# Altium PCB EVK-NORA-W40.PcbDoc (part 2 of 5) (continued)
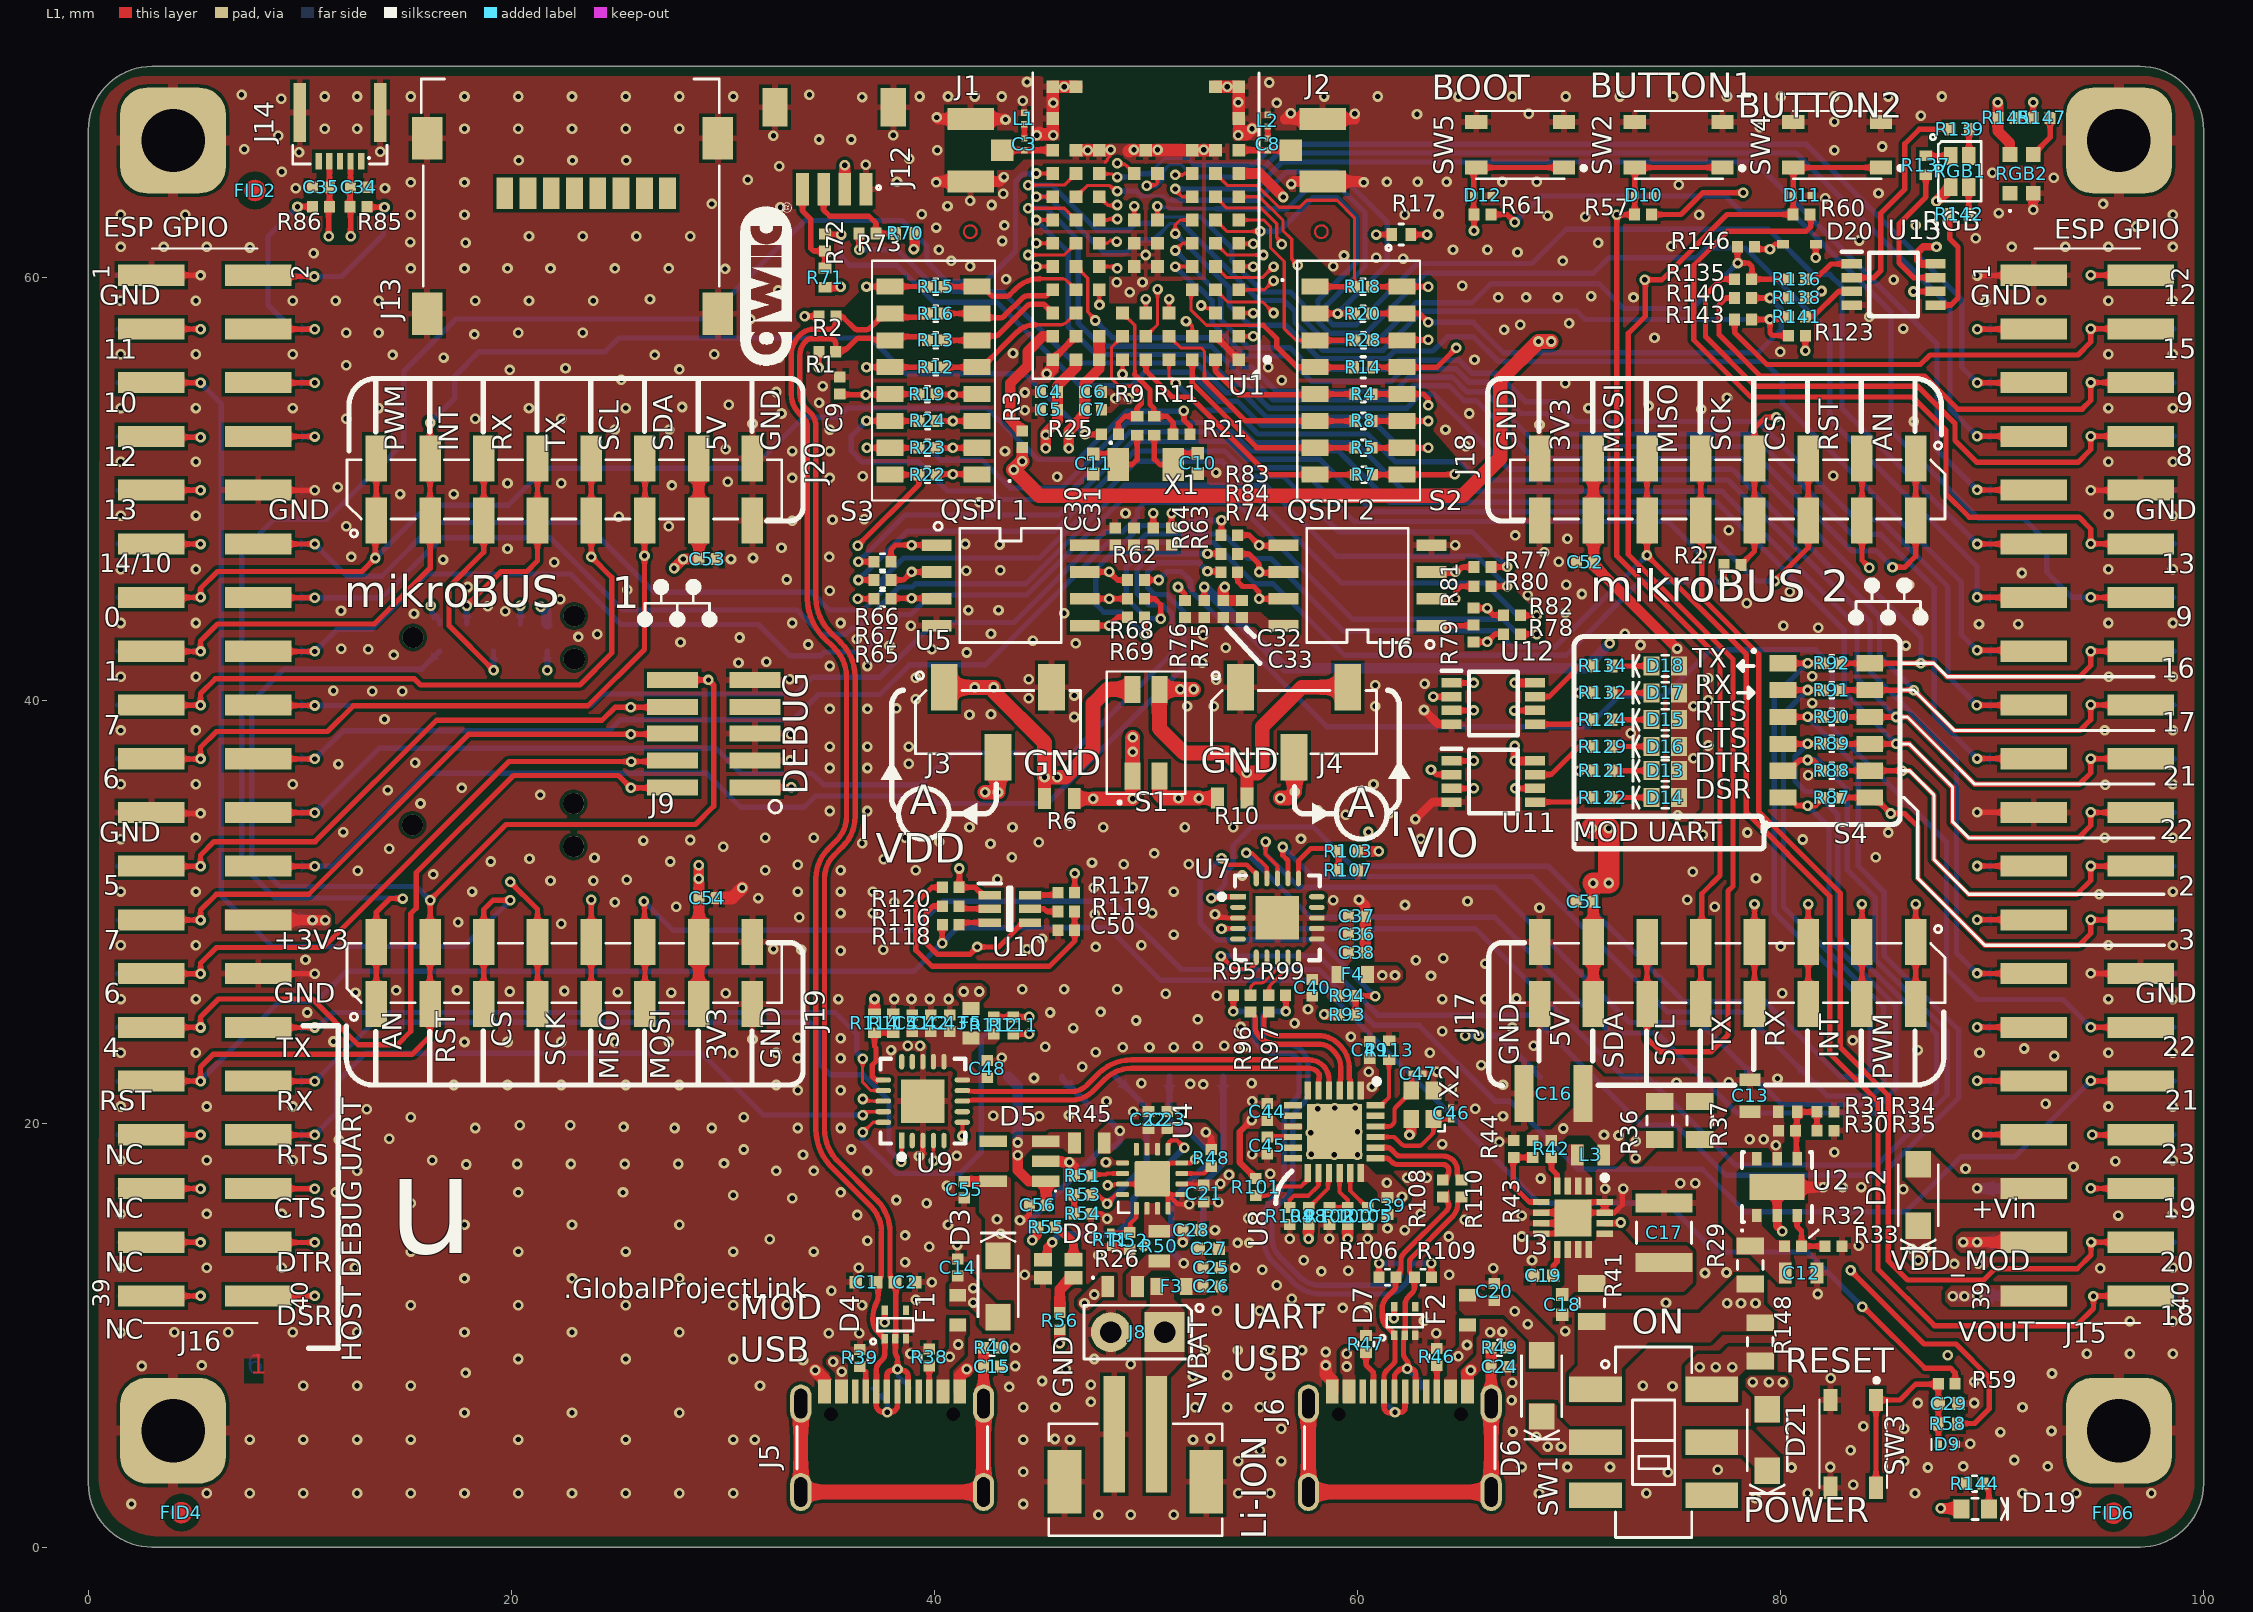
[diagram p0: L1 view]
## Part data (continued)
R40 R49: library part 180-00024, "Resistor 10k ohm 1% 1/16W, 0402", Manufacturer 1="Samsung Electro-Mechanics America, Inc", Manufacturer 2="Hong Kong Resistors Manufactory", Manufacturer Part Number 1=RC1005F103CS, Manufacturer Part Number 2=RCT0210KFLF, Max Operating Temp=155, Min Operating Temp=-55, Part Name="RES SMD 10K OHM 1% 1/16W 0402", Power=1/16W, Supplier Part Number 1=1276-3431-1-ND, Tolerance="+/- 1%", Voltage=N/A, Height=0.4mm, Item Phase="In Production", Part Number=180-00024, Pins=2, Revision=0E, Size=0402, Supplier 1=Digi-Key, Supplier 2=None, Supplier Part Number 2=None, UBX Code=None, Use in new designs=Yes
R42 R100 R101 R102 R104 R105: library part UBXH18-0000005, "RES THICK FILM CHIP 0402 100K 1% 63mW", Manufacturer=KOA, Manufacturer 2=ROHM, Manufacturer P/N=RK73H1ETTP1003F, Manufacturer P/N 2=MCR01MZPF1003, Max Power=63mW, Tolerance=1%, Editor=dario.antonaz, Env=ROHS, Mfg P/N Datasheet=https://wiki.u-blox.com/bin/view/Generic/Docs/DocumentSummary?index=8222, Mfg P/N Datasheet 2=https://wiki.u-blox.com/bin/view/Generic/Docs/DocumentSummary?index=8186, Mfg P/N Released=Yes, Mfg P/N Released 2=Yes, Mfg P/N Split=100, Mfg P/N Split 2=0, Mfg P/N Status=Active, Mfg P/N Status 2=Obsolete, Part Number=UBXH18-0000005, Part Type=Resistor, Perferred=N/A, Permitted Use="Volume Products", RefDes=R, Release Data=2009-11-30T11:05:22, Released by=sandro.sestan, Size=0402, UBX Wiki=https://wiki.u-blox.com/bin/view/Operations/PartDetails?index=8114
R48: library part UBXH18-0008121, "RES THICK FILM CHIP 0402 1M0 5% 63mW", Manufacturer=KOA, Manufacturer P/N=RK73B1ETTP105J, Max Operating Temp=125°C, Max Power=63mW, Min Operating Temp=-55°C, Tolerance=5%, Editor=daniel.hurni, Env=ROHS, Mfg P/N Datasheet=https://wiki.u-blox.com/bin/view/Generic/Docs/DocumentSummary?index=4543, Mfg P/N Released=Yes, Mfg P/N Split=100, Mfg P/N Status=Active, Part Number=UBXH18-0008121, Part Type=Resistor, Perferred=PREF, Permitted Use="Volume Products", RefDes=R, Release Data=2009-12-01T17:35:03, Released by=doris.zahnd, Size=0402, UBX Wiki=https://wiki.u-blox.com/bin/view/Operations/PartDetails?index=7052
R53 R54: library part UBXH18-0008049, "RES THICK FILM CHIP 0402 1K0 5% 100mW", Manufacturer=YAGEO, Manufacturer 2=KOA, Manufacturer P/N=2322_705_70102_L, Manufacturer P/N 2=RK73B1ETTD102J, Max Power=100mW, Tolerance=5%, Editor=roland.rust, Env=ROHS, Mfg P/N Released=Yes, Mfg P/N Released 2=Yes, Mfg P/N Split=100, Mfg P/N Split 2=0, Mfg P/N Status=NRND, Mfg P/N Status 2=NRND, Part Number=UBXH18-0008049, Part Type=Resistor, Perferred=PREF, Permitted Use="Volume Products", RefDes=R, Release Data=2005-07-22T13:59:44, Released by=roland.rust, Size=0402, UBX Wiki=https://wiki.u-blox.com/bin/view/Operations/PartDetails?index=6939
R55: library part UBXH18-0000269, "RES THICK FILM CHIP 0402 499R 1% 100mW", Manufacturer=KOA, Manufacturer P/N=RK73H1ETTP4990F, Max Operating Temp=125°C, Max Power=100mW, Min Operating Temp=-55°C, Tolerance=1%, Editor=pierpaolo.arban, Env=ROHS, Mfg P/N Datasheet=https://wiki.u-blox.com/bin/view/Generic/Docs/DocumentSummary?index=8222, Mfg P/N Released=No, Mfg P/N Split=100, Mfg P/N Status=Active, Part Number=UBXH18-0000269, Part Type=Resistor, Perferred=PREF, Permitted Use="Volume Products", RefDes=R, Size=0402, UBX Wiki=https://wiki.u-blox.com/bin/view/Operations/PartDetails?index=25384
R56: library part UBXH18-0008033, "RES THICK FILM CHIP 0402 220R 5% 100mW", Manufacturer=ROHM, Manufacturer 2=KOA, Manufacturer 3=YAGEO, Manufacturer P/N=MCR01MZPJ221, Manufacturer P/N 2=RK73B1ETTP221J, Manufacturer P/N 3=2322_705_87221_L, Max Power=100mW, Tolerance=5%, Editor=roland.rust, Env=ROHS, Mfg P/N Released=Yes, Mfg P/N Released 2=Yes, Mfg P/N Released 3=Yes, Mfg P/N Split=100, Mfg P/N Split 2=0, Mfg P/N Split 3=0, Mfg P/N Status=Active, Mfg P/N Status 2=Active, Mfg P/N Status 3=NRND, Part Number=UBXH18-0008033, Part Type=Resistor, Perferred=PREF, Permitted Use="Volume Products", RefDes=R, Release Data=2009-04-24T14:36:39, Released by=roland.rust, Size=0402, UBX Wiki=https://wiki.u-blox.com/bin/view/Operations/PartDetails?index=6914
R58: library part UBXH18-0008097, "RES THICK FILM CHIP 0402 100K 5% 100mW", Manufacturer=YAGEO, Manufacturer 2=KOA, Manufacturer P/N=2322_705_70104_L, Manufacturer P/N 2=RK73B1ETTD104J, Max Power=100mW, Tolerance=5%, Editor=roland.rust, Env=ROHS, Mfg P/N Released=Yes, Mfg P/N Released 2=Yes, Mfg P/N Split=100, Mfg P/N Split 2=0, Mfg P/N Status=Obsolete, Mfg P/N Status 2=NRND, Part Number=UBXH18-0008097, Part Type=Resistor, Perferred=PREF, Permitted Use="Volume Products", RefDes=R, Release Data=2005-07-22T13:59:44, Released by=roland.rust, Size=0402, UBX Wiki=https://wiki.u-blox.com/bin/view/Operations/PartDetails?index=7020
R70 R71: library part UBXH18-0008057, "RES THICK FILM CHIP 0402 2K2 5% 100mW", Manufacturer=YAGEO, Manufacturer P/N=2322_705_87222_L, Manufacturer P/N 2=RC0402JR-072K2L, Max Power=100mW, Tolerance=5%, Editor=roland.rust, Env=ROHS, Manufacturer 2=YAGEO, Mfg P/N Datasheet 2=https://wiki.u-blox.com/bin/view/Generic/Docs/DocumentSummary?index=8163, Mfg P/N Released=Yes, Mfg P/N Released 2=Yes, Mfg P/N Split=100, Mfg P/N Split 2=0, Mfg P/N Status=Obsolete, Mfg P/N Status 2=Active, Part Number=UBXH18-0008057, Part Type=Resistor, Perferred=PREF, Permitted Use="Volume Products", RefDes=R, Release Data=2007-02-09T10:46:57, Released by=roland.rust, Size=0402, UBX Wiki=https://wiki.u-blox.com/bin/view/Operations/PartDetails?index=6956
R103 R114: library part UBXH18-0008065, "RES THICK FILM CHIP 0402 4K7 5% 100mW", Manufacturer=YAGEO, Manufacturer 2=KOA, Manufacturer P/N=2322_705_70472_L, Manufacturer P/N 2=RK73B1ETTD472J, Max Power=100mW, Tolerance=5%, Editor=martin.frauchiger, Env=ROHS, Mfg P/N Released=Yes, Mfg P/N Released 2=Yes, Mfg P/N Split=100, Mfg P/N Split 2=0, Mfg P/N Status=Obsolete, Mfg P/N Status 2=NRND, Part Number=UBXH18-0008065, Part Type=Resistor, Perferred=PREF, Permitted Use="Volume Products", RefDes=R, Release Data=2005-08-19T10:42:45, Released by=martin.frauchiger, Size=0402, UBX Wiki=https://wiki.u-blox.com/bin/view/Operations/PartDetails?index=6969
R107 R115: library part UBXH18-0008073, "RES THICK FILM CHIP 0402 10K 5% 100mW", Manufacturer=KOA, Manufacturer 2=YAGEO, Manufacturer P/N=RK73B1ETTD103J, Manufacturer P/N 2=RC0402JR-0710KL, Manufacturer P/N 3=2322_705_87103_L, Max Power=100mW, Tolerance=5%, Editor=martin.frauchiger, Env=ROHS, Manufacturer 3=YAGEO, Mfg P/N Released=Yes, Mfg P/N Released 2=No, Mfg P/N Released 3=Yes, Mfg P/N Split=100, Mfg P/N Split 2=0, Mfg P/N Split 3=0, Mfg P/N Status=NRND, Mfg P/N Status 2=Active, Mfg P/N Status 3=Obsolete, Part Number=UBXH18-0008073, Part Type=Resistor, Perferred=PREF, Permitted Use="Volume Products", RefDes=R, Release Data=2005-08-19T10:42:45, Released by=martin.frauchiger, Size=0402, UBX Wiki=https://wiki.u-blox.com/bin/view/Operations/PartDetails?index=6981
R113: library part UBXH18-0000133, "RES THICK FILM CHIP 0402 12K 1% 62.5mW", Manufacturer=YAGEO, Manufacturer P/N=RT0402FRE0712KL, Max Operating Temp=155°C, Max Power=62.5mW, Min Operating Temp=-55°C, Tolerance=1%, Editor=pierpaolo.arban, Env=ROHS, Mfg P/N Datasheet=https://wiki.u-blox.com/bin/view/Generic/Docs/DocumentSummary?index=19276, Mfg P/N Released=Yes, Mfg P/N Split=100, Mfg P/N Status=Active, Part Number=UBXH18-0000133, Part Type=Resistor, Perferred=PREF, Permitted Use="Volume Products", RefDes=R, Release Data=2019-11-07T09:33:25, Released by=dario.antonaz, Size=0402, UBX Wiki=https://wiki.u-blox.com/bin/view/Operations/PartDetails?index=20511
R121 R122 R124 R129 R132 R134 R139: library part UBXH18-0008041, "RES THICK FILM CHIP 0402 470R 5% 100mW", Manufacturer=ROHM, Manufacturer 2=KOA, Manufacturer 3=YAGEO, Manufacturer P/N=MCR01MZPJ471, Manufacturer P/N 2=RK73B1ETTP471J, Manufacturer P/N 3=2322_705_87471_L, Max Power=100mW, Tolerance=5%, Editor=roland.rust, Env=ROHS, Mfg P/N Released=Yes, Mfg P/N Released 2=Yes, Mfg P/N Released 3=Yes, Mfg P/N Split=100, Mfg P/N Split 2=0, Mfg P/N Split 3=0, Mfg P/N Status=Obsolete, Mfg P/N Status 2=Active, Mfg P/N Status 3=Obsolete, Part Number=UBXH18-0008041, Part Type=Resistor, Perferred=PREF, Permitted Use="Volume Products", RefDes=R, Release Data=2009-04-24T14:36:39, Released by=roland.rust, Size=0402, UBX Wiki=https://wiki.u-blox.com/bin/view/Operations/PartDetails?index=6926
R137: library part UBXH18-0008046, "RES THICK FILM CHIP 0402 750R 5% 100mW", Manufacturer=Panasonic, Manufacturer P/N=ERJ2GEJ751X, Max Power=100mW, Tolerance=5%, Editor=jaka.bevk, Env=ROHS, Mfg P/N Datasheet=https://wiki.u-blox.com/bin/view/Generic/Docs/DocumentSummary?index=21267, Mfg P/N Released=Yes, Mfg P/N Split=100, Mfg P/N Status=Active, Part Number=UBXH18-0008046, Part Type=Resistor, Perferred=PREF, Permitted Use="Volume Products", RefDes=R, Release Data=2014-10-03T09:31:33, Released by=erian.bezhani, Size=0402, UBX Wiki=https://wiki.u-blox.com/bin/view/Operations/PartDetails?index=6935
R142: library part UBXH18-0000216, "RES THICK FILM CHIP 0402 360R 1% 63mW", Manufacturer=KOA, Manufacturer P/N=RK73H1ETTP3600F, Max Power=63mW, Tolerance=1%, Automotive=Yes, Editor=michael.hein, Env=ROHS, Mfg P/N Datasheet=https://wiki.u-blox.com/bin/view/Generic/Docs/DocumentSummary?index=8222, Mfg P/N Released=Yes, Mfg P/N Split=100, Mfg P/N Status=Active, Part Number=UBXH18-0000216, Part Type=Resistor, Perferred=PREF, Permitted Use="Volume Products", RefDes=R, Release Data=2015-10-02T11:55:45, Released by=vasyl.dykyy, Size=0402, UBX Wiki=https://wiki.u-blox.com/bin/view/Operations/PartDetails?index=23306
R144: library part UBXH18-0008033, "RES THICK FILM CHIP 0402 220R 5% 63mW", Manufacturer=KOA, Manufacturer 2=YAGEO, Manufacturer 3=ROHM, Manufacturer P/N=RK73B1ETTP221J, Manufacturer P/N 2=RC0402JR-13220RL, Manufacturer P/N 3=MCR01MZPJ221, Max Power=63mW, Tolerance=5%, Editor=alvaro.nussbaum, Env=ROHS, Mfg P/N Datasheet=https://wiki.u-blox.com/bin/view/Generic/Docs/DocumentSummary?index=39896, Mfg P/N Datasheet 2=https://wiki.u-blox.com/bin/view/Generic/Docs/DocumentSummary?index=26941, Mfg P/N Released=Yes, Mfg P/N Released 2=Yes, Mfg P/N Released 3=Yes, Mfg P/N Split=100, Mfg P/N Split 2=0, Mfg P/N Split 3=0, Mfg P/N Status=Active, Mfg P/N Status 2=Active, Mfg P/N Status 3=Obsolete, Part Number=UBXH18-0008033, Part Type=Resistor, Perferred=PREF, Permitted Use="Volume Products", RefDes=R, Release Data=2024-02-26T15:01:33, Released by=martin.pilik, Size=0402, UBX Wiki=https://wiki.u-blox.com/bin/view/Operations/PartDetails?index=6914
RGB1: "LED RGB SMT 0606", Current=20mA, Manufacturer 1="Lite-On Inc", Manufacturer Part Number 1=LTST-C19HE1WT, Max Operating Temp=80, MFG Package=0606, Min Operating Temp=-20, Supplier Part Number 1=160-2162-1-ND, Voltage=None, Body Size="1.6mm x 1.6mm", Height=0.35mm, Item Phase="In Production", Part Name="LED RGB SMT 0606", Part Number=115-00026, Pins=4, Revision=0B, Size=Other, Supplier 1=Digi-Key, Supplier 2=Digi-Key, Supplier Part Number 2=1516-1184-1-ND, UBX Code=None, Use in new designs=Yes
RGB2: "LED", Manufacturer_Name=Adafruit, Mouser Part Number=485-4684, Arrow Part Number=4684, Arrow Price/Stock=https://www.arrow.com/en/products/4684/adafruit-industries?region=nac, Datasheet Link=https://cdn-shop.adafruit.com/product-files/4684/4684_WS2812B-2020_V1.3_EN.pdf, Height=0.84mm, Manufacturer_Part_Number=4684, Mouser Price/Stock=https://www.mouser.co.uk/ProductDetail/Adafruit/4684?qs=DPoM0jnrROWIv9%2FMCIm5vw%3D%3D
RT1: library part UBXH18-0000573, "THERMISTOR NTC 0201 10K 5% 100mW", Manufacturer="Murata Manufacturing Company, Ltd.", Manufacturer P/N=NCP03XH103J05RL, Max Operating Temp=125°C, Max Power=100mW, Min Operating Temp=-40°C, Tolerance=5%, Editor=eric.moog, Env=ROHS, Mfg P/N Datasheet=https://wiki.u-blox.com/bin/view/Generic/Docs/DocumentSummary?index=8935, Mfg P/N Released=No, Mfg P/N Split=100, Mfg P/N Status=Active, Part Number=UBXH18-0000573, Part Type=Thermistor, Perferred=PREF, Permitted Use="Volume Products", RefDes=RT, Size=0201, UBX Wiki=https://wiki.u-blox.com/bin/view/Operations/PartDetails?index=39142
S1: "Switch", Manufacturer_Name=CTS, Mouser Part Number=774-2182LPSTJ, Arrow Part Number=218-2LPSTJ, Arrow Price/Stock=https://www.arrow.com/en/products/218-2lpstj/cts, Datasheet Link=https://www.ctscorp.com/wp-content/uploads/218.pdf, Height=2.7mm, Manufacturer_Part_Number=218-2LPSTJ, Mouser Price/Stock=https://www.mouser.co.uk/ProductDetail/CTS-Electronic-Components/218-2LPSTJ?qs=qNzHFtQhdJ8h31nbRNBSWA%3D%3D
S2 S3: "Switch", Manufacturer_Name=CTS, Mouser Part Number=774-2188LPSTJ, Arrow Part Number=218-8LPSTJ, Arrow Price/Stock=https://www.arrow.com/en/products/218-8lpstj/cts, Datasheet Link=https://www.ctscorp.com/wp-content/uploads/218.pdf, Height=2.7mm, Manufacturer_Part_Number=218-8LPSTJ, Mouser Price/Stock=https://www.mouser.co.uk/ProductDetail/CTS-Electronic-Components/218-8LPSTJ?qs=hDoPxpGr7lfoBDyeqUpd9g%3D%3D
S4: "Switch", Manufacturer_Name=CTS, Mouser Part Number=774-2186LPSTJ, Arrow Part Number=218-6LPSTJ, Arrow Price/Stock=https://www.arrow.com/en/products/218-6lpstj/cts, Datasheet Link=https://www.ctscorp.com/wp-content/uploads/218.pdf, Height=2.7mm, Manufacturer_Part_Number=218-6LPSTJ, Mouser Price/Stock=https://www.mouser.co.uk/ProductDetail/CTS-Electronic-Components/218-6LPSTJ?qs=hDoPxpGr7lflvoQJzlrOfA%3D%3D
SW1: "2 WAY ON-ON SUB-MINIATURE SLIDE SWITCH SMD JS SERIES", Manufacturer="C&K Components", Manufacturer P/N=JS202011SCQN, Max Operating Temp=85°C, Min Operating Temp=-40°C, Editor=andre.pick, Env=ROHS, Mfg P/N Datasheet=https://wiki.u-blox.com/bin/view/Generic/Docs/DocumentSummary?index=16625, Mfg P/N Released=Yes, Mfg P/N Split=100, Mfg P/N Status=Active, Part Number=UBXH19-0000050, Part Type=Switch, Perferred=PREF, Permitted Use="Support Products", RefDes=S, Release Data=2022-06-09T16:59:15, Released by=martin.pilik, UBX Wiki=https://wiki.u-blox.com/bin/view/Operations/PartDetails?index=36899
SW2 SW3 SW4 SW5: "Switch", Manufacturer_Name="C & K COMPONENTS", Mouser Part Number=611-PTS810SJK250SMTR, Datasheet Link=https://www.ckswitches.com/media/1476/pts810.pdf, Manufacturer_Part_Number=PTS810SJK250SMTRLFS, Mouser Price/Stock=https://www.mouser.co.uk/ProductDetail/CK/PTS810SJK250SMTRLFS?qs=UxeAxwACbqlfHzoZSrW3%2Fw%3D%3D
TP1 TP2 TP3 TP4 TP5 TP6 TP7 TP8 TP9 TP10 TP11 TP12 TP13 TP14 TP15 TP16 TP17 TP18 TP19 TP20 TP21 TP22 TP23 TP24 TP25 TP26 TP27 TP28 TP29 TP30 TP31 TP32 TP33 TP34 TP35 TP36 TP37 TP38 TP39 TP40 TP41 TP42 TP43 TP44 TP45 TP46 TP47 TP48 TP49 TP50 TP51 TP52 TP53 TP54 TP55 TP56 TP57 TP58 TP59 TP60 TP61 TP62 TP63 TP64 TP65 TP66 TP67 TP68 TP69 TP70 TP71 TP72 TP73 TP74 TP75 TP76 TP77 TP78 TP79 TP80 TP81 TP82 TP83 TP84 TP85 TP86 TP87 TP88 TP89 TP90 TP91 TP92 TP93 TP94 TP95 TP96 TP97 TP98 TP99 TP100 TP101 TP102 TP103 TP104 TP105 TP106 TP107 TP108 TP109 TP110 TP111 TP112 TP113 TP114 TP115 TP116 TP117 TP118 TP119 TP120 TP121 TP122 TP123 TP124 TP125 TP126: library part TP10R, "Testpoint, Round 1.0mm Dia", Added By="Jeremy D", Checked By="Paul B", DNP=DNP, Height=0, Part Number=TP10R, Size=1.0mm
  TP1 TP57: Added Date=2015-02-01, Checked Date=2015-02-05
  TP2 TP3 TP4 TP5 TP6 TP7 TP8 TP9 TP10 TP11 TP12 TP13 TP14 TP15 TP16 TP17 TP18 TP19 TP20 TP21 TP22 TP23 TP24 TP25 TP26 TP27 TP28 TP29 TP30 TP31 TP32 TP33 TP34 TP35 TP36 TP37 TP38 TP39 TP40 TP41 TP42 TP43 TP44 TP45 TP46 TP47 TP48 TP49 TP50 TP51 TP52 TP53 TP54 TP55 TP56 TP58 TP59 TP60 TP61 TP62 TP63 TP64 TP65 TP66 TP67 TP68 TP69 TP70 TP71 TP72 TP73 TP74 TP75 TP76 TP77 TP78 TP79 TP80 TP81 TP82 TP83 TP84 TP85 TP86 TP87 TP88 TP89 TP90 TP91 TP92 TP93 TP94 TP95 TP96 TP97 TP98 TP99 TP100 TP101 TP102 TP103 TP104 TP105 TP106 TP107 TP108 TP109 TP110 TP111 TP112 TP113 TP114 TP115 TP116 TP117 TP118 TP119 TP120 TP121 TP122 TP123 TP124 TP125 TP126: Added Date=2/1/2015, Checked Date=2/5/2015
U1: "u-blox NORA module generic symbol for use within module designs - alternate version", Manufacturer=u-blox, Manufacturer P/N=NORA, Body Size="14.3 mm x 10.4 mm", Height=0, Part Description="NORA MODULE FOOTPRINT", Part Name=NORA, Part Number=NORA, Part_Type=Module
U2: library part UBXH12-0000459, "LOW DROPOUT REGULATOR ON SEMICONDUCTOR NCP692MN33T2G 6DFN 3.3V 6V 1A", Manufacturer="ON Semiconductor", Manufacturer P/N=NCP692MN33T2G, Max Current=1A, Max Operating Temp=125°C, Max Voltage=6V, Min Operating Temp=-40°C, Editor=hakan.ekfors, Env=ROHS, Mfg P/N Datasheet=https://wiki.u-blox.com/bin/view/Generic/Docs/DocumentSummary?index=35425, Mfg P/N Released=Yes, Mfg P/N Split=100, Mfg P/N Status=Active, Part Number=UBXH12-0000459, Part Type=Regulator, Perferred=PREF, Permitted Use="Volume Products", RefDes=U, Release Data="2021-08-23 15:14:48.502500", Released by=markus.wejrot, UBX Wiki=https://wiki.u-blox.com/bin/view/Operations/PartDetails?index=35423
U3: library part TPS62130ARGTT, "Integrated Circuit", Manufacturer_Name="Texas Instruments", Mouser Part Number=595-TPS62130ARGTT, Arrow Part Number=TPS62130ARGTT, Arrow Price/Stock=https://www.arrow.com/en/products/tps62130argtt/texas-instruments?region=nac, Datasheet Link=http://www.ti.com/lit/gpn/tps62130a, Height=1mm, Manufacturer_Part_Number=TPS62130ARGTT, Mouser Price/Stock=https://www.mouser.co.uk/ProductDetail/Texas-Instruments/TPS62130ARGTT?qs=iIeLWXrA%252B1WkTqP1kzAmnQ%3D%3D
U4: "BQ24230 BATTERY CHARGER LI-ION USB 100-500MA 4.2V FLOAT VQFN-16 BQ24230RGTR", Manufacturer="Texas Instruments", Manufacturer 2=None, Manufacturer P/N=BQ24230RGTR, Manufacturer Part Number 1=bq24230, Max Operating Temp=125°C, MFG Package=VQFN-16, Min Operating Temp=-40°C, Supplier Part Number 1=296-23937-2-ND, Voltage=5-6.5V, Body Size="3.3mm x 3.3mm", Editor=eric.moog, Env=ROHS, Height=1mm, Item Phase=Unreleased, Manufacturer 1="Texas Instruments", Manufacturer Part Number 2=None, Mfg P/N Datasheet=https://wiki.u-blox.com/bin/view/Generic/Docs/DocumentSummary?index=39076, Mfg P/N Released=No, Mfg P/N Split=100, Mfg P/N Status=Active, Part Number=UBXH05-0000185, Part Type="Digital/Mixed Signal ASIC", Perferred=PREF, Permitted Use="Support Products", Pins=16, RefDes=U, Revision=None, Single Source=Yes, Size=Other, SMT Pitch=0.5mm, Supplier 1=Digi-key, Supplier 2=None, Supplier Part Number 2=None, UBX Code=None, UBX Wiki=https://wiki.u-blox.com/bin/view/Operations/PartDetails?index=39077, Use in new designs=Yes
U5 U6: "IC, Flash 128MBIT, 108MHz, 8SOIC", Manufacturer 1="Cypress Semiconductor Corp", Manufacturer 2=None, Manufacturer Part Number 1=S25FL127SABMFI101, Max Operating Temp=85, MFG Package=8-SOIC, Min Operating Temp=-40, Part Name="IC Flash 128MBIT 108MHz 8SOIC", Supplier Part Number 1=1274-1045-ND, Voltage=3.6V, Body Size="5.28mm x 5.28mm", Height=2.16mm, Interface=SPI, Item Phase=Unreleased, Manufacturer Part Number 2=None, Memory Size=128Mbit, Memory Speed=108MHz, Memory Type="Flash - NOR", Part Number=240-00017, Pins=8, Revision=None, SMT Pitch=1.27mm, Supplier 1=Digi-Key, Supplier 2=None, Supplier Part Number 2=None, Thermal Pad=No, UBX Code=None, Use in new designs=Yes
U7 U9: library part UBXH10-0000054, "FTDI USB TO SERIAL FULL UART INTERFACE QFN20", Manufacturer="FTDI Future Technology Devices International", Max Operating Temp=85°C, Min Operating Temp=-40°C, Editor=adam.johansson, Env=ROHS, Manufacturer P/N=FT231XQ-R, Mfg P/N Datasheet=https://wiki.u-blox.com/bin/view/Generic/Docs/DocumentSummary?index=33707, Mfg P/N Released=No, Mfg P/N Split=100, Mfg P/N Status=Active, Part Number=UBXH10-0000054, Part Type=Interface, Perferred=PREF, Permitted Use="Support Products", RefDes=U, UBX Wiki=https://wiki.u-blox.com/bin/view/Operations/PartDetails?index=27258
U8: "Integrated Circuit", Arrow Part Number=USB2422-I/MJ, Manufacturer_Name=Microchip, Mouser Part Number=579-USB2422-I/MJ, Arrow Price/Stock=https://www.arrow.com/en/products/usb2422-imj/microchip-technology?region=nac, Datasheet Link=https://datasheet.datasheetarchive.com/originals/distributors/DKDS-15/280029.pdf, Height=1mm, Manufacturer_Part_Number=USB2422-I/MJ, Mouser Price/Stock=https://www.mouser.co.uk/ProductDetail/Microchip-Technology-Atmel/USB2422-I-MJ?qs=eTPcRhULBzzm1uvzgv8YJg%3D%3D
U10: "Integrated Circuit", Manufacturer_Name=onsemi, Mouser Part Number=863-BC847BDW1T1G, Arrow Part Number=BC847BDW1T1G, Arrow Price/Stock=https://www.arrow.com/en/products/bc847bdw1t1g/on-semiconductor?region=europe, Datasheet Link=http://www.onsemi.com/pub/Collateral/BC846BDW1T1-D.PDF, Height=1.1mm, Manufacturer_Part_Number=BC847BDW1T1G, Mouser Price/Stock=https://www.mouser.co.uk/ProductDetail/onsemi/BC847BDW1T1G?qs=vNc2DXHODiJIIkxW3oEo4A%3D%3D
U11 U12 U13: "Integrated Circuit", Manufacturer_Name=Nexperia, Mouser Part Number=771-74LVC3G07DP-G, Arrow Part Number=74LVC3G07DP,125, Arrow Price/Stock=https://www.arrow.com/en/products/74lvc3g07dp125/nexperia?region=nac, Datasheet Link=https://assets.nexperia.com/documents/data-sheet/74LVC3G07.pdf, Height=1.1mm, Manufacturer_Part_Number=74LVC3G07DP,125, Mouser Price/Stock=https://www.mouser.co.uk/ProductDetail/Nexperia/74LVC3G07DP125?qs=me8TqzrmIYXM25jpSFl3Hg%3D%3D
X1: "XTAL, 2Pin, 32.768kHz, 7pF 20ppm", Frequency=32.768kHz, Frequency Tolerance=20ppm, Manufacturer=Epson, Manufacturer 2="AVX Corporation", Manufacturer P/N="FC-135 32.7680KA-AG3", Manufacturer P/N 2=ST3215SB32768C0HPWBB, MFG Package=2-SMD, Part Name="XTAL 32.768kHz 7pF 20ppm 3215", Supplier Part Number 1=SER4086CT-ND, Arena Link=https://app.bom.com/a/L3MU07Q7Q98O5PC8?v=spec.summary, Body Size="3.2mm x 1.5mm", CL=7pF, Component Mounting Type=SMT, Height=0.9mm, Item_Phase=Production, Part Number=100-00005, Part_Type=Crystal/Oscillator, Pins=2, Revision=0C, Supplier 1=Digi-Key, Supplier 2=Digi-Key, Supplier Part Number 2=1253-1113-1-ND, Use in new designs=Yes
X2: "CRYSTAL CL=8PF EPSON 2.0X1.6MM 24.000MHZ 30PPM", Manufacturer="Seiko Epson Corporation", Manufacturer P/N=Q22FA1280046700, Manufacturer P/N 2=Q22FA1280039800, Max Operating Temp=85°C, Min Operating Temp=-40°C, Tolerance=30PPM, Critical=Yes, Editor=adam.johansson, Env=ROHS, Manufacturer 2="Seiko Epson Corporation", Mfg P/N Datasheet=https://wiki.u-blox.com/bin/view/Generic/Docs/DocumentSummary?index=23017, Mfg P/N Datasheet 2=https://wiki.u-blox.com/bin/view/Generic/Docs/DocumentSummary?index=21965, Mfg P/N Released=Yes, Mfg P/N Released 2=Obsolete, Mfg P/N Split=100, Mfg P/N Split 2=0, Mfg P/N Status=Active, Mfg P/N Status 2=Obsolete, Part Number=UBXH21-0000066, Part Type=Crystal, Perferred=PREF, Permitted Use="Volume Products", RefDes=Y, Release Data=2015-11-11T10:35:48, Released by=olof.viklund, UBX Wiki=https://wiki.u-blox.com/bin/view/Operations/PartDetails?index=21963

## Free pads (board coordinates)
  rrect50% 5x5 hole 3: 5(4,5.5) 5(4,66.5) 5(96,5.5) 5(96,66.5)

## Via types
v1: diameter 0.5, hole 0.25, L1 to L6, 1349 vias

## Nets (pads, with @x,y where several pads share a name; then routed paths per layer and width w, separated by ;. In a path a pad name is that pad's centre, name@x,y a point inside that pad or via, vN(x,y) a via of type N, cw(c..) or ccw(c..) an arc to the next point about the centre after c; other vN are vias at no path point)
5V: C14.2 C20.2 D3.A D6.A D21.A F1.2 F2.2
  other v1: 78.689,7.798 79.451,7.798 80.112,7.798 68.047,10.541 67.437,11.151 41.834,11.557 41.834,12.243
+3V3: C13.1 C39.1 C44.1 C49.1 C52.2 C54.2 D13.2 D14.2 D15.2 D16.2 D17.2 D18.2 D19.2 F4.1 F5.1 J12.2 J16.26 J18.7 J19.7 R30.2 R31.2 R37.1 R70.2 R71.2 R98.2 R100.2 R101.2 R103.2 R114.2 RGB1.4 TP110.1 U2.5 U8.1 U8.9 U8.18 U11.8 U12.8 U13.8 | length 152.8
  L1 w0.25: R98.2@57.683,15.244 R98.2@57.686,15.246 ; D19.2@88.479,1.829 D19.2@88.505,1.803
  L1 w0.3: v1(54.994,20.19) 54.432,19.628 54.432,18.183 R101.2@55.197,17.418
  L1 w0.35: U13.8@87.319,60.665 86.655,60.665 86.487,60.833 86.487,61.214 86.741,61.468 v1(87.376,61.468)
  L1 w0.4: R71.2@34.823,59.57 35.542,59.57 v1(35.56,59.588) ; v1(67.427,40.853) U12.8@68.396,40.853 ; v1(67.437,37.871) 67.427,37.862 v1(67.427,37.17) U11.8@68.396,37.17
  L1 w0.5: J16.26@8.033,29.642 8.025,29.65 8.033,29.642 v1(10.592,29.642) v1(11.201,29.642) ; J19.7@28.85,25.675 J19.7@28.85,28.605 28.861,28.616 C54.2@28.861,30.683 28.858,30.686 28.858,31.594 v1(28.854,31.598) v1(28.854,32.233) ; J12.2@35.758,64.197 35.758,65.324 v1(35.763,65.329) ; v1(37.162,25.91) v1(37.162,25.91) R114.2@37.163,25.215 ; v1(39.014,61.366) 39.014,61.369 39.058,61.412 R70.2@39.058,62.103 ; v1(57.686,14.58) R98.2@57.686,15.246 ; v1(59.538,14.58) R100.2@59.538,15.246 ; R103.2@60.013,32.893 v1(61.011,32.893) ; J18.7@71.15,48.535 J18.7@71.15,51.465 ; J18.7@71.164,48.521 C52.2@71.164,46.558 71.174,46.548 71.174,46.428 v1(75.123,42.479) ; v1(87.376,63.627) 88.053,64.304 RGB1.4@88.053,64.311 ; v1(87.579,1.829) D19.2@88.479,1.829
  L3 w0.5: v1(87.579,1.829) 87.909,2.159 v1(87.909,9.068)
  L3 w0.7: v1@35.535,59.614 34.112,59.614 29.21,54.712 29.21,42.266 31.763,39.713 33.185,39.713 34.29,38.608 39.243,38.608 40.615,37.236 46.406,37.236 48.412,39.243 51.003,39.243 51.46,38.786 71.431,38.786 v1(75.123,42.479) 75.123,46.955 78.524,50.355 79.616,50.355 87.376,58.115 v1(87.376,61.468) v1(87.376,63.627) ; v1(35.56,59.588) 36.424,60.452 38.1,60.452 v1(39.014,61.366) 39.014,62.027 v1@35.763,65.278
  L6 w0.5: TP110.1@9.6,29.65 9.608,29.642 v1(10.592,29.642) v1(11.201,29.642)
  other v1: 62.103,16.561 61.392,17.221 79.781,18.999 78.537,19.279 79.197,19.279 60.684,21.765 60.531,22.476 41.377,26.264 42.113,26.264 61.163,27.026 61.773,27.026 75.133,34.595 75.885,37.297 75.885,39.761
+5V: C51.1 C53.1 J11.5 J17.7 J20.7 R3.1 R145.2 R148.2 RGB2.4 SW1.4 | length 168
  L1 w0.5: v1(27.686,46.279) v1(28.118,46.711) C53.1@28.861,46.711 28.861,48.524 J20.7@28.85,48.535 J20.7@28.85,51.465 ; v1(44.145,51.333) R3.1@44.145,51.975 ; v1(71.139,31.388) C51.1@71.139,30.505 71.139,30.49 71.15,30.479 J17.7@71.15,28.605 J17.7@71.15,25.675 ; v1(90.272,68.301) 90.278,68.294 R145.2@90.278,67.564 90.278,66.948 90.848,66.378 RGB2.4@90.848,65.838
  L1 w0.7: v1(44.145,51.333) v1(43.742,50.93) 44.964,49.708 64.973,49.708 66.751,51.486 66.751,55.19 v1(68.559,56.998) v1(69.164,56.998) ; v1@71.873,31.388 71.88,31.394 v1(71.882,31.394)
  L1 w1: v1(71.069,33.985) v1(71.882,33.985) v1(71.882,31.394) ; v1(71.139,31.388) v1@71.873,31.388
  L3 w0.7: v1(68.559,56.998) v1(69.164,56.998) 72.593,56.998 80.493,64.897 85.852,64.897 89.256,68.301 v1(90.272,68.301)
  L4 w0.5: v1(21.387,44.45) 21.387,45.263 21.844,45.72 24.765,45.72 25.019,45.974 27.381,45.974 v1(27.686,46.279)
  L4 w0.7: v1(27.686,46.279) v1(28.118,46.711) 30.937,49.53 40.744,49.53 42.144,50.93 v1(43.742,50.93) v1(44.145,51.333)
  L4 w1: v1(69.164,56.998) v1(68.559,56.998) 68.25,56.998 67.259,56.007 67.259,51.714 63.373,47.828 63.373,42.393 62.052,41.072 62.052,36.398 64.465,33.985 v1(71.069,33.985) v1(71.882,33.985) ; v1(71.139,31.388) 71.145,31.394 v1(71.882,31.394) 73.012,30.264 73.012,26.327 76.352,22.987 76.352,19.837 74.295,17.78 74.295,13.386 76.175,11.506 v1(76.175,8.509) v1(76.937,8.509) v1(77.724,8.509)
  L6 w0.5: v1(21.387,44.45) 21.387,44.448 21.637,44.198 21.637,43.695 J11.5@21.694,43.637
+Vin: D2.A J15.35 TP79.1 | length 1.1
  L6 w0.5: v1(89.292,16.958) 89.3,16.95 TP79.1@90.4,16.95
A2: R4.2 S2.5 U1.A2 | length 7.6
  L1 w0.25: U1.A2@53.29,56.14 53.29,55.574 54.381,54.483 S2.5@57.998,54.483 ; S2.5@57.998,54.513 58.003,54.508 R4.2@59.877,54.508
A2/IO21: J15.32 J19.6 R65.2 TP76.1 | length 114.9
  L1 w0.25: v1(26.264,30.531) 26.289,30.505 26.289,28.626 J19.6@26.31,28.605 J19.6@26.31,25.675 ; v1(36.376,44.831) R65.2@37.144,44.831 ; v1@94.877,22.03 J15.32@97.025,22.03
  L4 w0.15: v1(26.264,30.531) 26.264,31.648 23.825,34.087 23.825,39.809 28.466,44.45 35.995,44.45 v1(36.376,44.831)
  L6 w0.25: v1(26.264,30.531) 27.635,29.159 39.04,29.159 40.411,30.531 48.449,30.531 51.675,27.305 58.166,27.305 60.808,24.663 62.916,24.663 66.497,21.082 67.208,21.082 70.43,17.861 76.301,17.861 78.312,15.85 85.928,15.85 88.529,18.45 91.078,18.45 v1(94.666,22.038) 94.67,22.034 98.621,22.034 TP76.1@98.625,22.03
A2/IO21/SPI1_WP: R4.1 R65.1 S2.12 U5.3 | length 48.8
  L1 w0.25: R65.1@37.944,44.831 37.969,44.856 40.083,44.856 U5.3@40.107,44.833 ; R4.1@60.677,54.508 62.093,54.508 S2.12@62.098,54.513 63.114,54.513 63.348,54.28 v1(63.348,53.975)
  L3 w0.15: 37.922,52.376 37.922,47.175 ccw(c41.121,47.175) 38.549,45.273 ccw(c41.121,47.175) 38.86,44.912 v1(38.916,44.856) ; 37.922,52.376 cw(c46.01,52.378) 40.292,58.097 44.028,61.834 cw(c44.913,60.949) 44.913,62.2 49.895,62.2 ccw(c49.895,63.547) 50.47,62.329 ccw(c50.014,63.295) 50.839,62.616 cw(c51.726,61.729) 51.726,62.984 55.38,62.984 ccw(c55.379,63.134) 55.388,62.984 cw(c55.436,62.187) 55.482,62.984 ccw(c55.492,63.134) 55.492,62.984 55.742,62.984 cw(c55.742,62.508) 56.078,62.844 56.747,62.176 cw(c56.342,61.77) 56.915,61.77 ccw(c57.323,61.77) 57.034,61.482 62.604,55.913 cw(c60.808,54.117) 63.348,54.117 v1(63.348,53.975)
A3: R5.2 S2.7 U1.A3 | length 10.1
  L1 w0.25: U1.A3@52.19,56.14 52.19,55.023 55.24,51.973 S2.7@57.998,51.973 58.003,51.968 R5.2@59.877,51.968
A3/IO7/I2C_SCL: J16.17 J20.5 R5.1 R72.2 S2.10 TP101.1 | length 96.4
  L1 w0.25: J16.17@2.975,39.81 2.983,39.802 v1(5.3,39.802) 5.3,40.352 5.994,41.046 15.418,41.046 15.706,40.758 23.232,40.758 24.74,42.266 24.74,45.847 v1(23.774,46.812) 23.774,48.531 J20.5@23.77,48.535 J20.5@23.77,51.465 ; R72.2@34.823,62.071 34.842,62.052 v1(35.585,62.052) ; R5.1@60.677,51.968 62.094,51.968 S2.10@62.098,51.973 62.103,51.968 v1(63.35,51.968)
  L3 w0.25: v1(23.774,46.812) 23.774,55.067 30.759,62.052 v1(35.585,62.052)
  L6 w0.25: TP101.1@1.375,39.81 1.379,39.806 5.296,39.806 v1(5.3,39.802) ; v1(35.585,62.052) 35.585,61.014 35.995,60.604 38.227,60.604 39.98,58.852 42.951,58.852 46.884,54.919 49.306,54.919 49.932,55.545 52.074,55.545 53.442,54.178 54.314,54.178 55.468,53.024 60.946,53.024 62.001,51.968 v1(63.35,51.968)
A4_O: J15.27 TP71.1 U1.A4 | length 61.3
  L1 w0.15: U1.A4@51.09,56.14 51.09,55.336 v1(51.41,55.016)
  L1 w0.25: v1(89.292,27.118) 91.967,27.118 J15.27@91.975,27.11
  L6 w0.25: v1(51.41,55.016) 52.68,53.746 54.18,53.746 55.302,52.624 60.482,52.624 61.798,51.308 64.897,51.308 65.761,50.444 77.521,50.444 84.226,43.739 84.226,41.402 88.325,37.303 88.325,28.085 89.3,27.11 TP71.1@90.4,27.11
A5: R7.2 S2.8 U1.A5 | length 12.5
  L1 w0.25: U1.A5@49.99,56.14 49.994,56.136 49.994,55.611 51.249,54.356 52.121,54.356 55.774,50.703 S2.8@57.998,50.703 ; S2.8@57.998,50.698 R7.2@59.902,50.698
A5/IO10/IO14/D_TX: J16.5 J19.3 R7.1 S2.9 TP89.1 | length 118.9
  L1 w0.25: J16.5@2.975,55.05 v1@5.123,55.05 ; J19.3@18.69,25.675 J19.3@18.69,28.605 18.69,30.145 19.126,30.582 v1(19.942,30.582) ; R7.1@60.702,50.698 62.094,50.698 S2.9@62.098,50.703 64.571,50.703 v1(64.592,50.724)
  L4 w0.15: v1(19.942,30.582) 22.877,27.646 50.862,27.646 52.146,28.931 52.146,30.505 52.883,31.242 56.261,31.242 58.832,33.813 58.832,40.355 62.205,43.728 62.205,48.336 v1(64.592,50.724)
  L6 w0.25: TP89.1@1.4,55.05 1.404,55.046 5.296,55.046 6.275,54.067 6.275,30.809 8.687,28.397 17.757,28.397 v1(19.942,30.582)
  other v1: 5.3,55.042
A6/IO11/D_RX: J16.3 TP86.1 U1.A6 | length 53.3
  L1 w0.15: U1.A6@48.89,56.14 48.89,55.453 v1@48.895,55.448
  L1 w0.25: J16.3@2.975,57.59 v1@5.123,57.59
  L4 w0.15: v1(5.3,57.582) 6.111,58.393 30.199,58.393 31.928,60.122 37.313,60.122 39.777,57.657 46.681,57.657 v1(48.89,55.448)
  L6 w0.25: TP86.1@1.403,57.59 1.407,57.586 5.296,57.586 v1(5.3,57.582)
B1/IO19: J15.36 J19.4 R27.2 R68.1 TP80.1 | length 191.1
  L1 w0.25: v1(19.939,31.445) 21.23,30.154 J19.4@21.23,25.675 ; R68.1@49.933,44.831 50.419,44.831 50.698,44.552 v1(50.698,43.891) ; v1(77.318,45.644) 77.324,45.65 R27.2@77.324,46.431 ; v1@94.877,16.95 J15.36@97.025,16.95
  L4 w0.15: v1(50.698,43.891) 50.394,44.196 47.422,44.196 44.776,46.842 38.451,46.842 37.338,47.955 30.683,47.955 19.939,37.211 v1(19.939,31.445) 19.177,30.683 19.177,29.845 21.742,27.28 51.206,27.28 52.675,28.748 65.115,28.748 69.311,32.944 79.302,32.944 80.329,33.971 83.069,33.971 84.379,35.281 85.471,35.281 85.954,34.798 85.954,33.858 85.141,33.045 85.141,22.225 90.408,16.958 v1(94.666,16.958)
  L6 w0.25: v1(50.698,43.891) 50.038,43.891 49.073,44.856 49.073,46.33 50.237,47.494 53.192,47.494 55.143,45.542 56.007,45.542 59.385,42.164 69.85,42.164 73.33,45.644 v1(77.318,45.644) ; v1(94.666,16.958) 94.67,16.954 98.542,16.954 TP80.1@98.546,16.95
B1/IO19/SPI1_CLK: R68.2 U1.B1 U5.6 | length 48.7
  L1 w0.15: U1.B1@54.39,57.24 v1(55.07,57.24)
  L1 w0.25: U5.6@47.069,44.833 47.071,44.835 v1(48.26,44.835) 49.129,44.835 R68.2@49.133,44.831
  L3 w0.15: v1(48.26,44.835) 47.801,44.376 ccw(c48.103,44.073) 47.676,44.073 47.676,43.483 ccw(c48.101,43.483) 47.8,43.183 47.895,43.088 ccw(c48.225,43.418) 48.225,42.951 48.542,42.951 ccw(c48.542,43.313) 48.797,43.057 49.098,43.358 ccw(c48.853,43.603) 49.2,43.603 49.2,46.423 ccw(c48.506,46.423) 48.997,46.914 cw(c49.242,47.159) 48.895,47.159 48.895,47.295 cw(c49.263,47.295) 49.003,47.555 49.047,47.6 cw(c49.293,47.354) 49.293,47.701 49.403,47.701 cw(c49.403,47.395) 49.618,47.613 cw(c49.285,47.276) 49.759,47.276 ; 49.759,47.275 49.759,46.722 ccw(c49.909,46.722) 49.802,46.616 ; 49.803,46.616 49.936,46.482 ccw(c50.182,46.727) 50.182,46.38 50.19,46.38 ccw(c50.19,46.81) 50.494,46.506 ; 50.494,46.506 50.511,46.523 ; 50.511,46.523 ccw(c50.303,46.731) 50.597,46.731 50.597,47.126 cw(c50.944,47.126) 50.698,47.371 cw(c51.066,47.003) 51.066,47.523 52.451,47.523 ccw(c52.451,48.138) 52.885,47.703 52.95,47.767 ccw(c52.212,48.094) 53.018,48.094 53.018,49.036 cw(c53.434,49.036) 53.14,49.33 ; 52.167,54.386 cw(c52.341,54.559) 52.095,54.559 52.095,54.775 cw(c52.311,54.775) 52.158,54.927 52.241,55.01 cw(c52.441,54.81) 52.441,55.093 54.433,55.093 ccw(c54.433,55.458) 54.691,55.199 54.836,55.344 ccw(c54.647,55.534) 54.915,55.534 54.915,56.521 ccw(c54.562,56.521) 54.812,56.771 54.417,57.165 ccw(c54.269,57.016) 54.269,57.226 54.173,57.226 ccw(c54.173,56.994) 54.009,57.158 53.985,57.135 ccw(c54.194,56.926) 53.899,56.926 53.899,55.833 cw(c53.645,55.833) 53.824,55.653 53.734,55.562 ; 52.167,54.386 52.255,54.298 ccw(c52.421,54.464) 52.421,54.229 54.758,54.229 cw(c54.758,53.971) 54.94,54.154 55.047,54.047 cw(c54.813,53.813) 55.143,53.813 55.143,53.676 cw(c54.885,53.676) 55.068,53.493 ; 52.485,52.14 52.592,52.033 ccw(c52.748,52.189) 52.748,51.968 53.924,51.968 cw(c53.924,51.74) 54.153,51.74 54.153,51.562 cw(c53.924,51.562) 53.924,51.333 53.15,51.333 ccw(c53.15,51.037) 52.94,51.247 52.853,51.16 ccw(c53.088,50.925) 52.756,50.925 52.756,50.301 ccw(c53.022,50.301) 52.834,50.113 ; 52.485,52.14 cw(c52.629,52.284) 52.426,52.284 52.426,52.884 cw(c52.729,52.884) 52.514,53.098 ; 52.514,53.099 52.66,53.244 ; 52.66,53.244 cw(c52.892,53.012) 52.892,53.34 54.803,53.34 ccw(c54.803,53.61) 54.993,53.419 55.068,53.493 ; 52.834,50.112 52.912,50.034 ; 52.912,50.034 ccw(c53.087,50.209) 53.087,49.962 53.435,49.962 ccw(c53.435,50.222) 53.619,50.038 53.823,50.241 cw(c54.007,50.057) 54.007,50.317 54.86,50.317 cw(c54.86,50.136) 54.989,50.264 55.081,50.172 cw(c54.93,50.021) 55.143,50.021 55.143,49.762 cw(c54.89,49.762) 55.069,49.583 55.033,49.546 cw(c54.871,49.708) 54.871,49.479 53.5,49.479 ccw(c53.5,48.97) 53.14,49.33 ; 53.733,55.562 cw(c53.519,55.777) 53.519,55.474 53.246,55.474 cw(c53.246,55.738) 53.059,55.551 52.965,55.645 cw(c53.225,55.905) 52.857,55.905 52.857,56.332 cw(c53.176,56.332) 52.951,56.558 53.244,56.85 ccw(c52.949,57.145) 53.365,57.145 53.365,58.166 cw(c53.611,58.166) 53.437,58.34 53.543,58.445 cw(c53.727,58.261) 53.727,58.522 53.987,58.522 cw(c53.987,58.182) 54.227,58.422 54.431,58.218 cw(c54.182,57.969) 54.534,57.969 54.534,57.906 ccw(c54.848,57.906) 54.626,57.684 ; 54.626,57.684 v1(55.07,57.24)
B3/IO23: J15.34 J18.3 R66.1 TP78.1 | length 101.2
  L1 w0.25: v1(36.404,46.584) R66.1@37.144,46.584 R66.1@37.172,46.584 ; v1(79.731,45.669) 81.31,47.249 J18.3@81.31,48.535 J18.3@81.31,51.465 ; v1@94.957,19.482 J15.34@97.104,19.482
  L4 w0.15: v1(79.731,45.669) 81.483,47.422 86.258,47.422 87.859,45.822 87.859,24.917 88.824,23.952 90.283,23.952 v1(94.745,19.49)
  L6 w0.25: v1(36.404,46.584) 38.614,48.793 45.872,48.793 49.352,52.273 53.873,52.273 54.722,51.424 58.228,51.424 60.706,48.946 75.59,48.946 78.867,45.669 v1(79.731,45.669) ; v1(94.745,19.49) TP78.1@98.6,19.49
B3/IO23/SPI1_CS0: R66.2 U1.B3 U5.1 | length 48.8
  L1 w0.15: v1(51.892,57.963) 51.947,57.963 52.19,57.72 U1.B3@52.19,57.24
  L1 w0.25: R66.2@37.944,46.584 37.944,47.164 38.151,47.371 v1(38.916,47.371) U5.1@40.1,47.371 U5.1@40.105,47.371
  L3 w0.15: 38.444,53.001 ccw(c38.786,52.66) 38.303,52.66 38.303,48.85 ccw(c40.394,48.849) v1(38.916,47.371) ; 38.445,53.001 cw(c38.954,52.494) 38.954,53.213 39.265,53.213 cw(c39.269,52.483) 39.787,52.997 cw(c39.443,52.654) 39.929,52.654 39.929,50.693 ccw(c40.344,50.693) 40.05,50.4 ; 40.051,50.399 cw(c39.945,50.292) 40.052,50.398 40.262,50.187 ccw(c40.511,50.437) 40.511,50.084 41.004,50.084 ccw(c41.004,50.484) 41.286,50.201 42.135,51.051 ccw(c41.76,51.426) 42.291,51.426 42.291,53.691 cw(c42.551,53.691) 42.367,53.874 42.43,53.937 cw(c42.583,53.785) 42.583,54 43.21,54 ccw(c43.21,54.542) 43.593,54.159 ccw(c43.416,54.336) 43.581,54.524 ccw(c43.25,54.192) 43.25,54.661 42.66,54.661 cw(c42.66,54.878) 42.507,54.724 ; 42.476,55.595 42.42,55.539 ccw(c42.579,55.381) 42.355,55.381 42.355,54.984 ccw(c42.615,54.984) 42.43,54.801 42.507,54.724 ; 42.476,55.596 cw(c42.612,55.46) 42.612,55.651 42.784,55.651 cw(c42.784,55.432) 42.939,55.587 43.278,55.249 ; 42.926,56.896 ccw(c43.11,56.712) 42.85,56.712 42.85,56.571 ccw(c43.168,56.571) 42.943,56.346 43.313,55.976 ccw(c43.544,56.207) 43.544,55.88 44.055,55.88 cw(c44.055,55.6) 44.252,55.798 ; 42.926,56.896 43.02,56.99 cw(c43.222,56.787) 43.222,57.074 43.468,57.074 ccw(c43.468,57.421) 43.713,57.175 ccw(c43.474,57.415) 43.813,57.415 43.813,57.674 cw(c44.075,57.674) 43.889,57.859 43.99,57.96 cw(c44.12,57.83) 44.12,58.014 44.291,58.014 cw(c44.291,57.752) 44.476,57.937 ; 43.278,55.248 ccw(c43.532,55.503) 43.532,55.143 44.106,55.143 ccw(c44.106,55.361) 44.259,55.207 ccw(c44.106,55.36) 44.323,55.36 44.323,55.627 ccw(c44.081,55.627) 44.253,55.798 ; 44.476,57.937 45.14,57.273 ccw(c45.376,57.509) 45.376,57.175 45.471,57.175 ccw(c45.471,57.408) 45.636,57.244 45.753,57.361 ; 45.71,57.795 45.029,58.476 cw(c45.26,58.708) 44.933,58.708 44.933,58.781 cw(c45.226,58.781) 45.018,58.988 45.1,59.07 cw(c45.248,58.921) 45.248,59.131 45.459,59.131 cw(c45.459,58.929) 45.601,59.072 46.204,58.469 ccw(c46.384,58.649) 46.384,58.395 46.527,58.395 ccw(c46.527,58.655) 46.71,58.47 ; 45.711,57.794 cw(c45.441,57.526) 45.822,57.526 cw(c45.589,57.526) 45.754,57.361 ; 46.711,58.471 46.715,58.475 ccw(c46.542,58.649) 46.787,58.649 ccw(c46.542,58.649) 46.715,58.822 46.093,59.444 cw(c46.32,59.67) 45.999,59.67 45.999,59.87 cw(c46.239,59.87) 46.069,60.039 46.302,60.272 cw(c46.461,60.113) 46.461,60.338 46.579,60.338 cw(c46.579,60.112) 46.738,60.272 ; 46.739,60.272 46.814,60.197 ; 46.814,60.196 cw(c46.633,60.016) 46.888,60.016 46.888,59.357 ccw(c47.189,59.357) 46.976,59.145 ; 46.977,59.145 ccw(c47.193,59.362) 47.193,59.055 47.314,59.055 ccw(c47.314,59.315) 47.498,59.131 ; 47.358,60.947 ccw(c47.573,60.733) 47.269,60.733 47.269,60.321 ccw(c47.627,60.321) 47.374,60.068 47.543,59.899 cw(c47.347,59.702) 47.625,59.702 47.625,59.393 cw(c47.3,59.393) 47.53,59.163 47.498,59.131 ; 47.359,60.948 cw(c47.573,60.733) 47.573,61.036 47.719,61.036 cw(c47.719,60.773) 47.905,60.959 47.969,60.895 cw(c47.744,60.671) 48.062,60.671 48.062,59.307 ccw(c48.314,59.307) 48.136,59.128 48.211,59.054 ccw(c48.391,59.234) 48.391,58.979 48.559,58.979 cw(c48.559,58.719) 48.743,58.903 49.057,58.588 ccw(c49.279,58.81) 49.279,58.496 50.699,58.496 cw(c50.699,58.13) 50.958,58.389 ; 50.958,58.389 51.281,58.066 ccw(c51.53,58.315) 51.53,57.963 v1(51.892,57.963)
B4: R8.2 S2.6 U1.B4 | length 11.2
  L1 w0.15: U1.B4@51.09,57.24 51.637,56.693 52.603,56.693 52.765,56.531 52.765,55.185
  L1 w0.25: 52.765,55.185 54.707,53.243 S2.6@57.998,53.243 58.003,53.238 R8.2@59.877,53.238
B4/IO6/I2C_SDA: J16.19 J20.6 R8.1 R73.2 S2.11 TP103.1 | length 93.9
  L1 w0.25: J16.19@2.975,37.27 2.983,37.262 v1(5.3,37.262) 5.3,37.812 6.045,38.557 11.303,38.557 12.522,39.776 23.622,39.776 26.289,42.443 v1(26.289,46.863) 26.289,48.514 J20.6@26.31,48.535 J20.6@26.31,51.465 J20.6@26.31,52.05 ; R73.2@36.43,62.103 36.43,61.36 v1(36.449,61.341) ; R8.1@60.677,53.238 62.093,53.238 S2.11@62.098,53.243 63.343,53.243 v1(63.348,53.238)
  L3 w0.25: v1(26.289,46.863) 26.289,54.94 32.69,61.341 v1(36.449,61.341)
  L6 w0.25: TP103.1@1.375,37.27 1.379,37.266 5.296,37.266 v1(5.3,37.262) ; v1(36.449,61.341) 38.227,61.341 40.208,59.36 43.205,59.36 46.588,55.977 52.379,55.977 53.778,54.578 54.533,54.578 55.687,53.424 62.476,53.424 62.687,53.213 63.322,53.213 v1(63.348,53.238)
B5/NFC2: C35.1 J14.4 R86.1 U1.B5 | length 48.9
  L1 w0.15: U1.B5@49.99,57.24 50.546,57.796 v1(50.546,59.461)
  L1 w0.25: v1(11.354,61.976) 11.354,63.32 R86.1@11.401,63.367 C35.1@11.401,64.282 11.39,64.293 J14.4@11.39,65.518
  L4 w0.15: v1(11.354,61.976) 13.513,59.817 30.353,59.817 31.013,60.477 37.643,60.477 39.853,58.268 46.279,58.268 47.215,59.204 48.001,59.204 48.912,58.293 50.038,58.293 50.546,58.801 v1(50.546,59.461)
B5_O: J16.4 R86.2 TP87.1 | length 11.3
  L1 w0.25: J16.4@8.025,57.59 8.033,57.582 v1(10.7,57.582) ; v1(9.883,63.373) 10.595,63.373 R86.2@10.601,63.367
  L6 w0.25: v1(9.883,63.373) 8.484,61.973 8.484,58.731 9.629,57.586 10.696,57.586 v1(10.7,57.582)
B6/IO1: J16.15 J20.2 R25.2 TP99.1 | length 61.8
  L1 w0.25: J16.15@2.975,42.35 2.983,42.342 v1@5.283,42.342 ; v1(5.3,42.342) 5.3,42.841 6.096,43.637 13.513,43.637 16.154,46.279 16.154,48.531 J20.2@16.15,48.535 16.15,53.158 v1(16.154,53.162) ; v1(47.117,52.603) R25.2@47.888,52.603
  L6 w0.25: TP99.1@1.4,42.35 1.404,42.346 5.296,42.346 v1(5.3,42.342) ; v1(16.154,53.162) 17.323,54.331 17.323,55.372 18.466,56.515 24.435,56.515 25.084,57.165 36.968,57.165 38.659,55.474 44.247,55.474 v1(47.117,52.603)
B6/IO1/X_LP_N: R9.1 R25.1 U1.B6 | length 6.6
  L1 w0.15: U1.B6@48.89,57.24 48.365,56.715 48.365,55.267 48.748,54.884 49.358,54.884
  L1 w0.25: R25.1@48.688,52.603 48.688,53.133 49.015,53.46 R9.1@49.581,53.46 49.581,53.848 49.79,54.058 49.79,54.451 49.358,54.884
BAT_IN: C25.2 C26.1 C27.2 F3.1 R26.2 R50.2 TP8.1 | length 10.8
  L6 w0.3: TP8.1@51.109,22.231 51.109,20.163 51.591,19.682 51.975,19.682 52.929,18.729 52.929,18.131 51.186,16.388 51.186,14.016 v1(51.791,13.411)
BLUE: R142.1 U13.5 | length 5.3
  L1 w0.25: U13.5@87.319,58.715 88.052,58.715 88.392,59.055 88.392,61.468 87.996,61.864 R142.1@87.996,63.017
C1/IO20: J15.38 J18.5 R67.2 TP82.1 | length 104.2
  L1 w0.25: v1(36.404,45.72) R67.2@37.144,45.72 R67.2@37.172,45.72 ; J18.5@76.23,51.465 J18.5@76.23,48.535 76.276,48.489 v1(76.276,46.888) 76.276,44.899 78.969,42.206 78.969,34.773 82.829,30.912 82.829,23.622 85.09,21.361 85.09,13.538 86.004,12.624 89.611,12.624 90.145,13.157 94.031,13.157 94.682,13.808 v1(94.682,14.418) 94.69,14.41 J15.38@97.025,14.41
  L6 w0.25: v1(36.404,45.72) 38.715,48.031 45.676,48.031 49.461,51.816 53.721,51.816 54.513,51.024 57.307,51.024 59.848,48.483 74.682,48.483 v1(76.276,46.888) ; v1(94.682,14.418) 94.69,14.41 TP82.1@98.625,14.41